# Altium PCB W5100S-PICO-Mining_V100.PcbDoc (part 1 of 2) (continued)
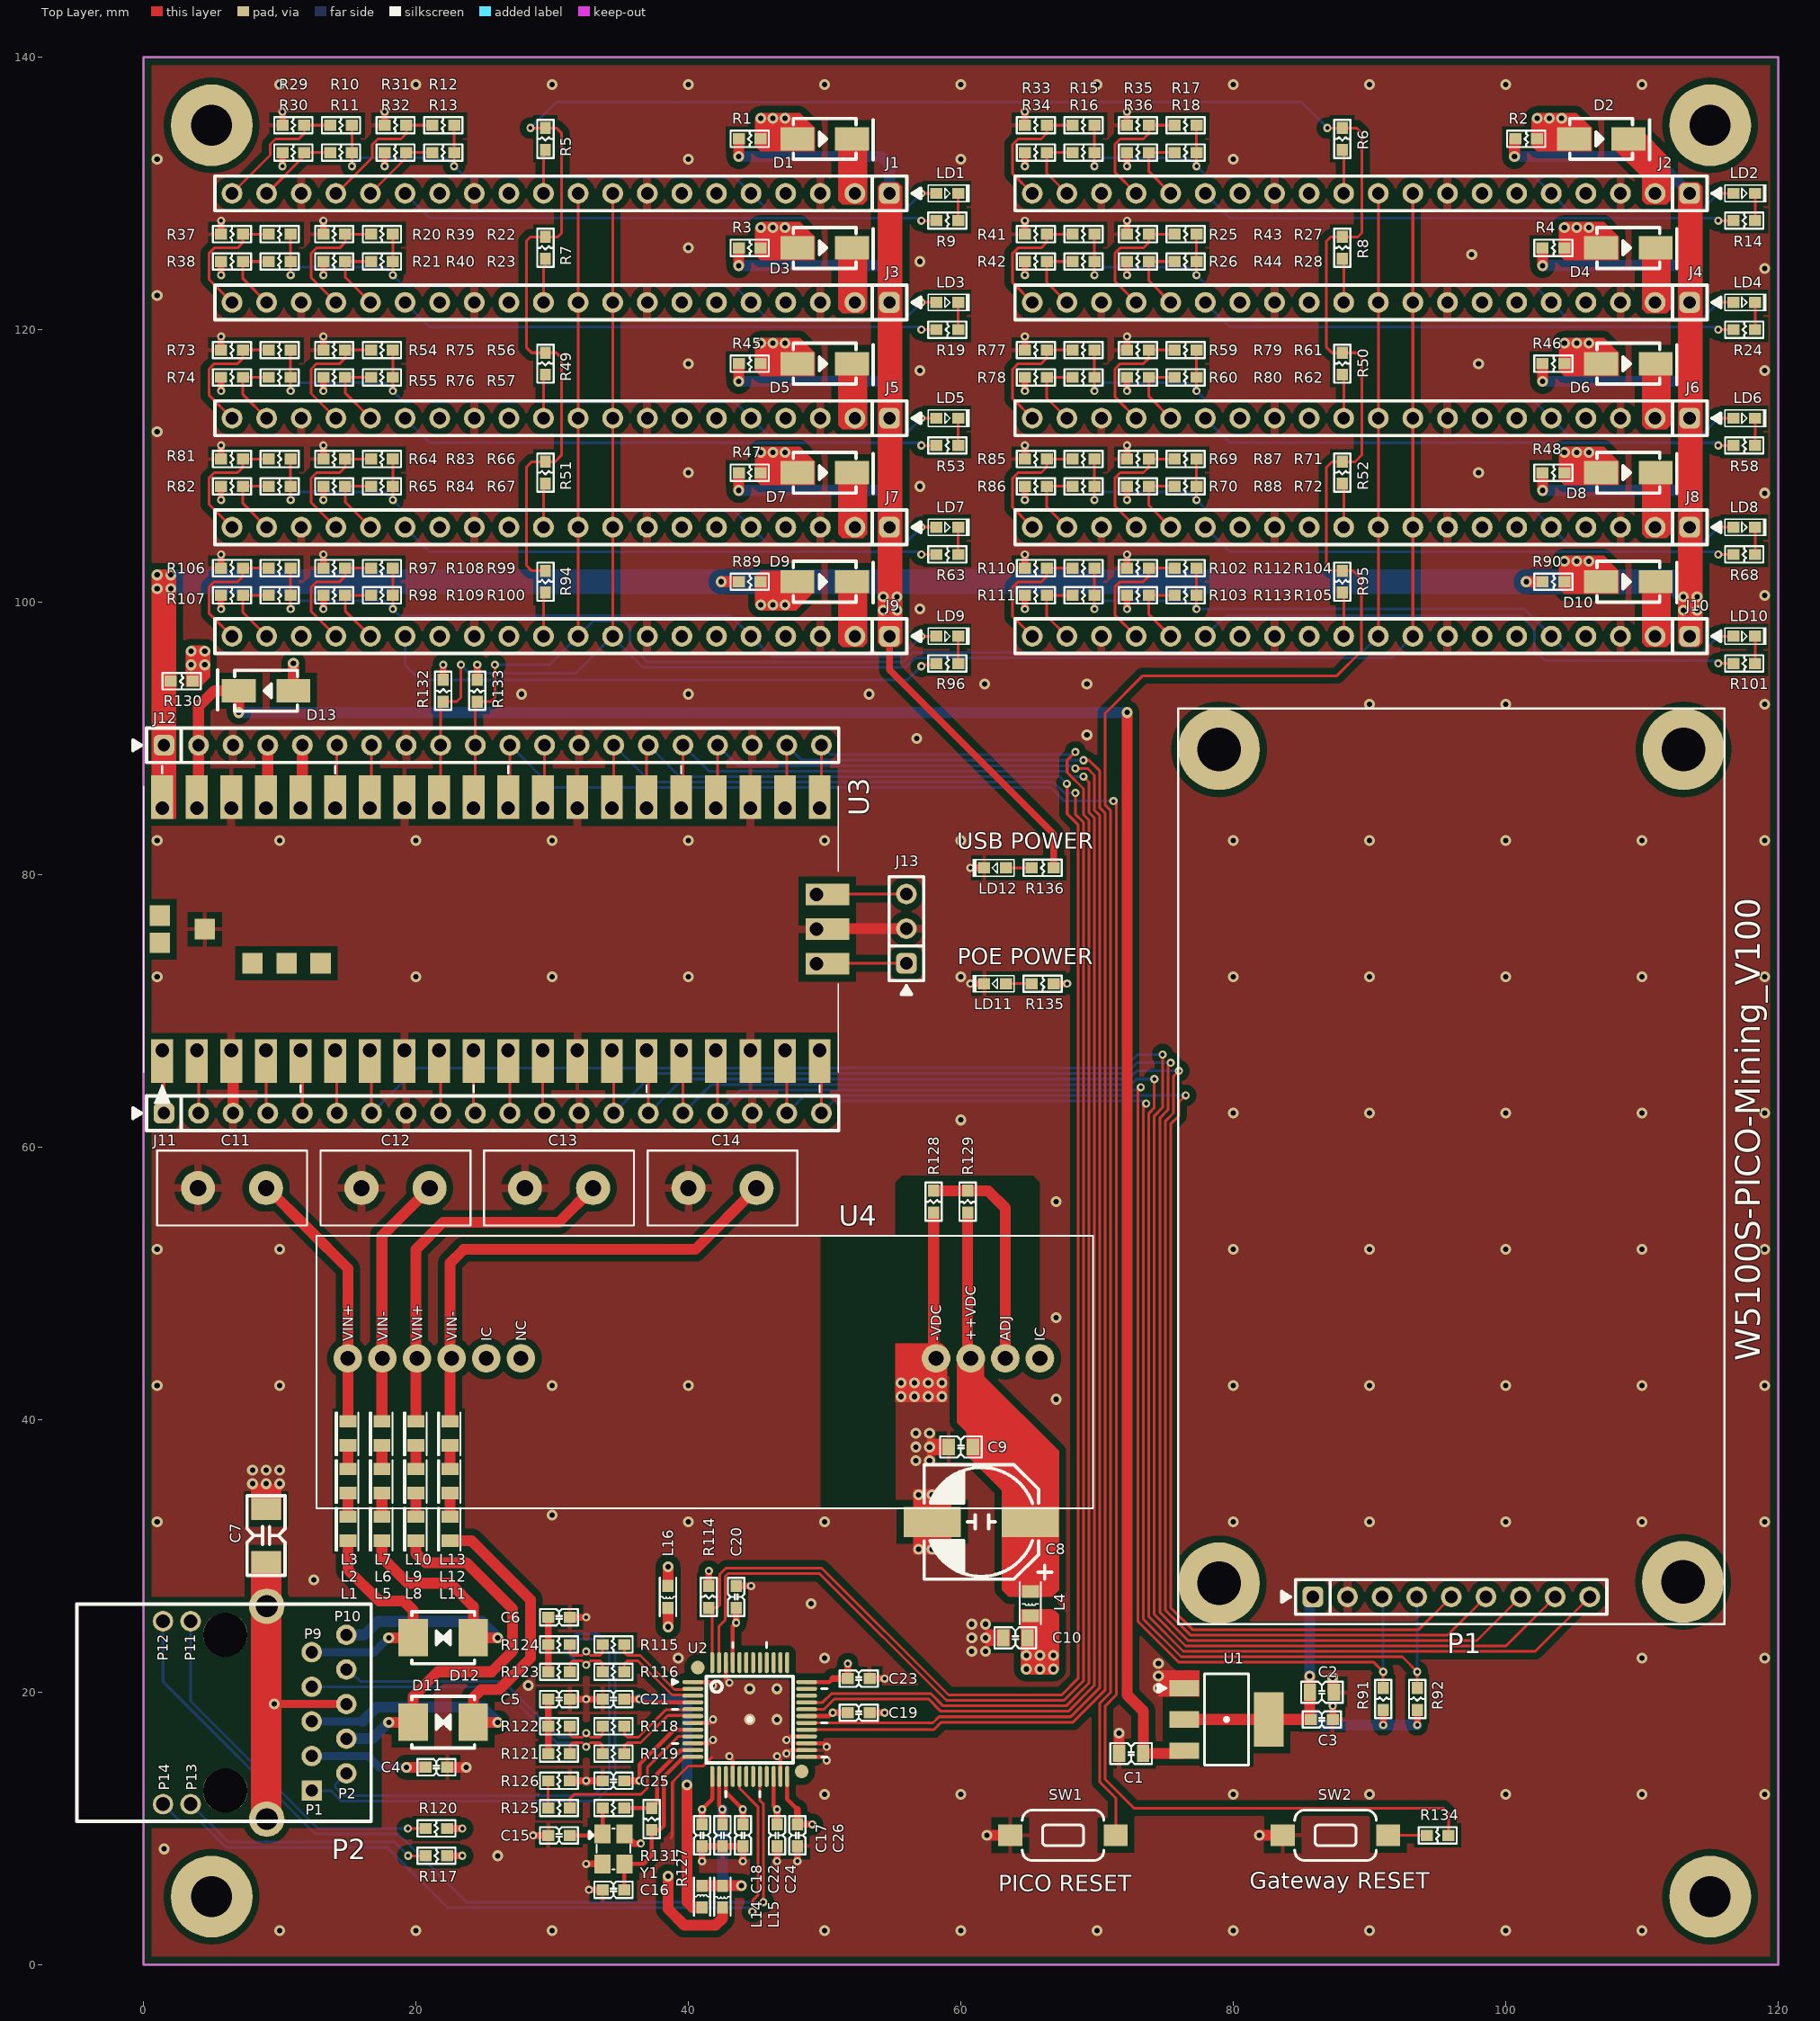
[diagram p0: Top Layer view]
## Components (designator, comment, footprint, x,y, rotation, side; value= is the part's Value field where it differs from the comment)
C1 "10uF/16V" CAP-0805 72.5,15.5 r0 top
C2 "10uF/16V" CAP-0805 86.5,20 r180 top
C3 "0.1uF" CAP-0603 86.5,18 r180 top
C4 "0.1uF" CAP-0603 21.5,14.5 r180 top
C5 "0.1uF" CAP-0603 30.5,19.5 r180 top
C6 "0.1uF" CAP-0603 30.5,25.5 r180 top
C7 "1nF/2KV" CAP-1808 9,31.5 r90 top
C8 "470uF/16V" CAP-8.3EC 61.5,32.5 r270 top
C9 "10uF/16V" CAP-0805 60,38 r0 top
C10 "10uF/16V" CAP-0805 64,24 r0 top
C11 "4.7nF/2KV" CK45-E3DD472ZYGNA 6.5,57 r0 top
C12 "4.7nF/2KV" CK45-E3DD472ZYGNA 18.5,57 r0 top
C13 "4.7nF/2KV" CK45-E3DD472ZYGNA 30.5,57 r0 top
C14 "4.7nF/2KV" CK45-E3DD472ZYGNA 42.5,57 r0 top
C15 "18pF" CAP-0603 30.5,9.5 r0 top
C16 "18pF" CAP-0603 34.5,5.5 r0 top
C17 "0.1uF" CAP-0603 46.5,9.5 r90 top
C18 "0.1uF" CAP-0603 41,9.5 r90 top
C19 "0.1uF" CAP-0603 52.5,18.5 r180 top
C20 "0.1uF" CAP-0603 43.5,27 r270 top
C21 "0.1uF" CAP-0603 34.5,19.5 r0 top
C22 "1uF" CAP-0603 42.5,9.5 r90 top
C23 "0.1uF" CAP-0603 52.5,21 r180 top
C24 "0.1uF" CAP-0603 44,9.5 r90 top
C25 "0.1uF" CAP-0603 34.5,13.5 r0 top
C26 "0.1uF" CAP-0603 48,9.5 r90 top
D1 "SS14" DO-214AC/SMA 50,134 r0 top
D2 "SS14" DO-214AC/SMA 107,134 r0 top
D3 "SS14" DO-214AC/SMA 50,126 r0 top
D4 "SS14" DO-214AC/SMA 109,126 r0 top
D5 "SS14" DO-214AC/SMA 50,117.5 r0 top
D6 "SS14" DO-214AC/SMA 109,117.5 r0 top
D7 "SS14" DO-214AC/SMA 50,109.5 r0 top
D8 "SS14" DO-214AC/SMA 109,109.5 r0 top
D9 "SS14" DO-214AC/SMA 50,101.5 r0 top
D10 "SS14" DO-214AC/SMA 109,101.5 r0 top
D11 "SMBJ58CA (SMB)" DO-214AA/SMB(TVS) 22,17.8 r180 top
D12 "SMBJ58CA (SMB)" DO-214AA/SMB(TVS) 22,24 r180 top
D13 "SS14" DO-214AC/SMA 9,93.5 r180 top
J1 "Header Socket Dip 20x1_2.54mm" IDC-1X20(SOCKET) 54.76,130 r180 top
J2 "Header Socket Dip 20x1_2.54mm" IDC-1X20(SOCKET) 113.5,130 r180 top
J3 "Header Socket Dip 20x1_2.54mm" IDC-1X20(SOCKET) 54.76,122 r180 top
J4 "Header Socket Dip 20x1_2.54mm" IDC-1X20(SOCKET) 113.5,122 r180 top
J5 "Header Socket Dip 20x1_2.54mm" IDC-1X20(SOCKET) 54.76,113.5 r180 top
J6 "Header Socket Dip 20x1_2.54mm" IDC-1X20(SOCKET) 113.5,113.5 r180 top
J7 "Header Socket Dip 20x1_2.54mm" IDC-1X20(SOCKET) 54.76,105.5 r180 top
J8 "Header Socket Dip 20x1_2.54mm" IDC-1X20(SOCKET) 113.5,105.5 r180 top
J9 "Header Socket Dip 20x1_2.54mm" IDC-1X20(SOCKET) 54.76,97.5 r180 top
J10 "Header Socket Dip 20x1_2.54mm" IDC-1X20(SOCKET) 113.5,97.5 r180 top
J11 "Pin Header Dip 20x1_2.54mm" IDC-1X20 1.5,62.5 r0 top
J12 "Pin Header Dip 20x1_2.54mm" IDC-1X20 1.5,89.5 r0 top
J13 "2.54mm 1x3 Pin Header DIP" idc-1x3 56,73.5 r90 top
L1 "IND-0805" IND-0805 15,32 r90 top
L2 "IND-0805" IND-0805 15,35.5 r90 top
L3 "IND-0805" IND-0805 15,39 r90 top
L4 "HH-1M2012-121JT" IND-0805 65.1,26.5 r270 top
L5 "IND-0805" IND-0805 17.5,32 r90 top
L6 "IND-0805" IND-0805 17.5,35.5 r90 top
L7 "IND-0805" IND-0805 17.5,39 r90 top
L8 "IND-0805" IND-0805 20,32 r90 top
L9 "IND-0805" IND-0805 20,35.5 r90 top
L10 "IND-0805" IND-0805 20,39 r90 top
L11 "IND-0805" IND-0805 22.5,32 r90 top
L12 "IND-0805" IND-0805 22.5,35.5 r90 top
L13 "IND-0805" IND-0805 22.5,39 r90 top
L14 "HH-1M1608-121JT" IND-0603 41,5 r90 top
L15 "HH-1M1608-121JT" IND-0603 42.5,5 r270 top
L16 "HH-1M1608-121JT" IND-0603 38.5,27 r270 top
LD1 "Green" LED-0603-GREEN 59,130 r0 top
LD2 "Green" LED-0603-GREEN 117.5,130 r0 top
LD3 "Green" LED-0603-GREEN 59,122 r0 top
LD4 "Green" LED-0603-GREEN 117.5,122 r0 top
LD5 "Green" LED-0603-GREEN 59,113.5 r0 top
LD6 "Green" LED-0603-GREEN 117.5,113.5 r0 top
LD7 "Green" LED-0603-GREEN 59,105.5 r0 top
LD8 "Green" LED-0603-GREEN 117.5,105.5 r0 top
LD9 "Green" LED-0603-GREEN 59,97.5 r0 top
LD10 "Green" LED-0603-GREEN 117.5,97.5 r0 top
LD11 "RED" LED-0603-RED 62.5,72 r180 top
LD12 "RED" LED-0603-RED 62.5,80.5 r180 top
P1 "Pin Header Dip 9x1_2.54mm" "LCD(PIN HEADER9X1_2.54)" 96,27 r0 top
P2 "RJC-191R" RJC-191R 6,18.5 r270 top
R1 "NC" RES-0603 44.5,134 r180 top
R2 "NC" RES-0603 101.5,134 r180 top
R3 "NC" RES-0603 44.5,126 r180 top
R4 "NC" RES-0603 103.5,126 r180 top
R5 "1K" RES-0603 29.5,134 r270 top
R6 "1K" RES-0603 88,134 r270 top
R7 "1K" RES-0603 29.5,126 r270 top
R8 "1K" RES-0603 88,126 r270 top
R9 "300R" RES-0603 59,128 r180 top
R10 "NC" RES-0603 14.5,135 r0 top
R11 "NC" RES-0603 14.5,133 r0 top
R12 "NC" RES-0603 22,135 r0 top
R13 "10K" RES-0603 22,133 r0 top
R14 "300R" RES-0603 117.5,128 r180 top
R15 "NC" RES-0603 69,135 r0 top
R16 "NC" RES-0603 69,133 r0 top
R17 "10K" RES-0603 76.5,135 r0 top
R18 "NC" RES-0603 76.5,133 r0 top
R19 "300R" RES-0603 59,120 r180 top
R20 "NC" RES-0603 10,127 r0 top
R21 "NC" RES-0603 10,125 r0 top
R22 "10K" RES-0603 17.5,127 r0 top
R23 "10K" RES-0603 17.5,125 r0 top
R24 "300R" RES-0603 117.5,120 r180 top
R25 "NC" RES-0603 69,127 r0 top
R26 "10K" RES-0603 69,125 r0 top
R27 "NC" RES-0603 76.5,127 r0 top
R28 "NC" RES-0603 76.5,125 r0 top
R29 "NC" RES-0603 11,135 r0 top
R30 "NC" RES-0603 11,133 r0 top
R31 "NC" RES-0603 18.5,135 r0 top
R32 "NC" RES-0603 18.5,133 r0 top
R33 "NC" RES-0603 65.5,135 r0 top
R34 "NC" RES-0603 65.5,133 r0 top
R35 "NC" RES-0603 73,135 r0 top
R36 "NC" RES-0603 73,133 r0 top
R37 "NC" RES-0603 6.5,127 r0 top
R38 "NC" RES-0603 6.5,125 r0 top
R39 "NC" RES-0603 14,127 r0 top
R40 "NC" RES-0603 14,125 r0 top
R41 "NC" RES-0603 65.5,127 r0 top
R42 "NC" RES-0603 65.5,125 r0 top
R43 "NC" RES-0603 73,127 r0 top
R44 "NC" RES-0603 73,125 r0 top
R45 "NC" RES-0603 44.5,117.5 r180 top
R46 "NC" RES-0603 103.5,117.5 r180 top
R47 "NC" RES-0603 44.5,109.5 r180 top
R48 "NC" RES-0603 103.5,109.5 r180 top
R49 "1K" RES-0603 29.5,117.5 r270 top
R50 "1K" RES-0603 88,117.5 r270 top
R51 "1K" RES-0603 29.5,109.5 r270 top
R52 "1K" RES-0603 88,109.5 r270 top
R53 "300R" RES-0603 59,111.5 r180 top
R54 "NC" RES-0603 10,118.5 r0 top
R55 "10K" RES-0603 10,116.5 r0 top
R56 "NC" RES-0603 17.5,118.5 r0 top
R57 "10K" RES-0603 17.5,116.5 r0 top
R58 "300R" RES-0603 117.5,111.5 r180 top
R59 "NC" RES-0603 69,118.5 r0 top
R60 "10K" RES-0603 69,116.5 r0 top
R61 "10K" RES-0603 76.5,118.5 r0 top
R62 "NC" RES-0603 76.5,116.5 r0 top
R63 "300R" RES-0603 59,103.5 r180 top
R64 "NC" RES-0603 10,110.5 r0 top
R65 "10K" RES-0603 10,108.5 r0 top
R66 "10K" RES-0603 17.5,110.5 r0 top
R67 "10K" RES-0603 17.5,108.5 r0 top
R68 "300R" RES-0603 117.5,103.5 r180 top
R69 "10K" RES-0603 69,110.5 r0 top
R70 "NC" RES-0603 69,108.5 r0 top
R71 "NC" RES-0603 76.5,110.5 r0 top
R72 "NC" RES-0603 76.5,108.5 r0 top
R73 "NC" RES-0603 6.5,118.5 r0 top
R74 "NC" RES-0603 6.5,116.5 r0 top
R75 "NC" RES-0603 14,118.5 r0 top
R76 "NC" RES-0603 14,116.5 r0 top
R77 "NC" RES-0603 65.5,118.5 r0 top
R78 "NC" RES-0603 65.5,116.5 r0 top
R79 "NC" RES-0603 73,118.5 r0 top
R80 "NC" RES-0603 73,116.5 r0 top
R81 "NC" RES-0603 6.5,110.5 r0 top
R82 "NC" RES-0603 6.5,108.5 r0 top
R83 "NC" RES-0603 14,110.5 r0 top
R84 "NC" RES-0603 14,108.5 r0 top
R85 "NC" RES-0603 65.5,110.5 r0 top
R86 "NC" RES-0603 65.5,108.5 r0 top
R87 "NC" RES-0603 73,110.5 r0 top
R88 "NC" RES-0603 73,108.5 r0 top
R89 "NC" RES-0603 44.5,101.5 r180 top
R90 "NC" RES-0603 103.5,101.5 r180 top
R91 "NC" RES-0603 91,19.5 r270 top
R92 "NC" RES-0603 93.5,19.5 r270 top
R94 "1K" RES-0603 29.5,101.5 r270 top
R95 "1K" RES-0603 88,101.5 r270 top
R96 "300R" RES-0603 59,95.5 r180 top
R97 "10K" RES-0603 10,102.5 r0 top
R98 "NC" RES-0603 10,100.5 r0 top
R99 "NC" RES-0603 17.5,102.5 r0 top
R100 "10K" RES-0603 17.5,100.5 r0 top
R101 "300R" RES-0603 117.5,95.5 r180 top
R102 "10K" RES-0603 69,102.5 r0 top
R103 "NC" RES-0603 69,100.5 r0 top
R104 "10K" RES-0603 76.5,102.5 r0 top
R105 "NC" RES-0603 76.5,100.5 r0 top
R106 "NC" RES-0603 6.5,102.5 r0 top
R107 "NC" RES-0603 6.5,100.5 r0 top
R108 "NC" RES-0603 14,102.5 r0 top
R109 "NC" RES-0603 14,100.5 r0 top
R110 "NC" RES-0603 65.5,102.5 r0 top
R111 "NC" RES-0603 65.5,100.5 r0 top
R112 "NC" RES-0603 73,102.5 r0 top
R113 "NC" RES-0603 73,100.5 r0 top
R114 "4K7" RES-0603 41.5,27 r270 top
R115 "3R3" RES-0603 34.5,23.5 r0 top
R116 "3R3" RES-0603 34.5,21.5 r0 top
R117 "330R" RES-0603 21.5,8 r180 top
R118 "3R3" RES-0603 34.5,17.5 r0 top
R119 "3R3" RES-0603 34.5,15.5 r0 top
R120 "330R" RES-0603 21.5,10 r0 top
R121 "49.9R/1%" RES-0603 30.5,15.5 r0 top
R122 "49.9R/1%" RES-0603 30.5,17.5 r0 top
R123 "49.9R/1%" RES-0603 30.5,21.5 r0 top
R124 "49.9R/1%" RES-0603 30.5,23.5 r0 top
R125 "12K/1%" RES-0603 30.5,11.5 r180 top
R126 "300R" RES-0603 30.5,13.5 r0 top
R127 "1M" RES-0603 37.3,10.7 r90 top
R128 "NC" RES-0603 58,56 r270 top
R129 "NC" RES-0603 60.5,56 r90 top
R130 "NC" RES-0603 2.8,94.2 r180 top
R131 "0R" RES-0603 34.5,11.5 r0 top
R132 "4K7" RES-0603 22,93.5 r90 top
R133 "4K7" RES-0603 24.5,93.5 r90 top
R134 "1K" RES-0603 95,9.5 r0 top
R135 "300R" RES-0603 66,72 r180 top
R136 "300R" RES-0603 66,80.5 r180 top
SW1 "ITS-1107(SMD)" IT-1107(SMD) 67.5,9.5 r180 top
SW2 "ITS-1107(SMD)" IT-1107(SMD) 87.5,9.5 r180 top
U1 "LM1117-3.3" SOT-223 79.5,18 r270 top
U2 "W5100S" LQFP48(0.5/9.0) 44.5,18 r0 top
U3 "PICO" PICO 25.5,76 r90 top
U4 "AG9705-2BR" AG9705-2BR 15,44.5 r0 top
Y1 "25MHz" OSC-82J0626 34.5,8.5 r270 top

## Footprints (in the part's own frame and the unit in brackets; to place one, negate y for a bottom-side part, rotate by r counter-clockwise, add the part's x,y. Pads: shape width x height; smd on the part's side, far side on the other; paste and mask are expansions set on the pad)
AG9705-2BR [mm]
  round 2.1 hole 1.1: 1(0,0) 2(2.54,0) 3(5.08,0) 4(7.62,0) 5(10.16,0) 6(12.7,0) 6(12.7,0) 7(43.18,0) 8(45.72,0) 9(48.26,0) 10(50.8,0)
  Multi-Layer pour cut-out: 40.2,9 34.7,9 34.7,-11 40.2,-11
  silkscreen extent -2.3,-11 54.7,9, body extent -1.75,-10.25 54.25,8.75, height 14
CAP-8.3EC [mm]
  rect 2.2x4.2 smd: 1(0,3.6) 2(0,-3.6)
  silkscreen extent -4.2,-4.2 4.2,5.15, body extent -4.12,-4.65 4.18,4.65, height 10.31
CAP-0603 [mm] "Ceramic CAP 0603(1608)"
  rect 0.89x0.82 smd: 1(-0.8,0) 2(0.8,0)
  silkscreen extent -1.4,-0.6 1.4,0.6, body extent -0.93,-0.41 0.93,0.41, height 0.81
CAP-0805 [mil]
  rect 36x49 smd: 1(-35,0)
  rect 35.43x49 smd: 2(35,0)
  silkscreen extent -60,-30 60,30, body extent -39,-24 40,25, height 31
CAP-1808 [mm] "Ceramic CAP 1808(4520)"
  rect 1.6x2.2 smd: 1(-1.95,0) 2(1.95,0)
  silkscreen extent -2.92,-1.4 2.92,1.4, body extent -2.25,-1.02 2.25,1.01, height 2
CK45-E3DD472ZYGNA [mm]
  round 2.5 hole 1.2: 1(-2.5,0) 2(2.5,0)
  silkscreen extent -5.5,-2.75 5.5,2.75, body extent -5.5,-2.5 5.5,2.5, height 12.5
DO-214AA/SMB(TVS) [mm]
  rect 2.159x2.743 smd: 1(-2.21,0) 2(2.21,0)
  silkscreen extent -2.3,-1.9 2.3,1.9, body extent -2.71,-1.8 2.69,1.8, height 2.27
DO-214AC/SMA [mm]
  rect 2.5x1.7 smd: 1(-2,0) 2(2,0)
  silkscreen extent -2.3,-1.52 3.56,1.5, body extent -2.46,-1.27 2.47,1.27, height 2
idc-1x3 [mil]
  rrect50% 60x60 hole 36: 1(0,0)
  round 60 hole 36: 2(100,0) 3(200,0)
  silkscreen extent -90,-50 250,50, body extent -49,-49 251,51, height 336
IDC-1X20 [mil]
  rrect50% 60x60 hole 36: 1(0,0)
  round 60 hole 36: 2(100,0) 3(200,0) 4(300,0) 5(400,0) 6(500,0) 7(600,0) 8(700,0) 9(800,0) 10(900,0) 11(1000,0) 12(1100,0) 13(1200,0) 14(1300,0) 15(1400,0) 16(1500,0) 17(1600,0) 18(1700,0) 19(1800,0) 20(1900,0)
  silkscreen extent -90,-50 1950,50, body extent -49,-49 1951,51, height 336
IDC-1X20(SOCKET) [mil]
  rrect50% 60x60 hole 36: 1(0,0)
  round 60 hole 36: 2(100,0) 3(200,0) 4(300,0) 5(400,0) 6(500,0) 7(600,0) 8(700,0) 9(800,0) 10(900,0) 11(1000,0) 12(1100,0) 13(1200,0) 14(1300,0) 15(1400,0) 16(1500,0) 17(1600,0) 18(1700,0) 19(1800,0) 20(1900,0)
  silkscreen extent -90,-50 1950,50, body extent -50,-50 1950,50, height 335
IND-0603 [mm] "Inductor 0603(1608)"
  rect 0.89x0.82 smd: 1(-0.8,0) 2(0.8,0)
  silkscreen extent -1.4,-0.6 1.4,0.6, body extent -0.8,-0.4 0.8,0.4, height 0.95
IND-0805 [mil]
  rect 36x49 smd: 1(-35,0)
  rect 35.43x49 smd: 2(35,0)
  Top Layer pour cut-out: -15,25 -15,-25 15,-25 15,25
  silkscreen extent -63,-30 60,35, body extent -39,-24 39,24, height 37
IT-1107(SMD) [mm]
  rect 1.75x1.6 smd: 1(-3.875,0) 2(3.875,0)
  silkscreen extent -3,-1.85 3,1.85, body extent -4,-1.8 4,1.8, height 2.6
"LCD(PIN HEADER9X1_2.54)" [mil]
  round 236.22 hole 125.98: 0(-671.26,39.37) 0(-671.26,2448.82) 0(669.29,43.31) 0(671.26,2448.82)
  rrect50% 60x60 hole 36: 1(-400,0)
  round 60 hole 36: 2(-300,0) 3(-200,0) 4(-100,0) 5(0,0) 6(100,0) 7(200,0) 8(300,0) 9(400,0)
  silkscreen extent -789,-79 789,2567, body extent -449,-49 451,51, height 336
LED-0603-GREEN [mm] "LED-0603-GREEN"
  rect 0.89x0.82 smd: 1(-0.8,0) 2(0.8,0)
  silkscreen extent -1.41,-0.65 1.65,0.65, body extent -0.85,-0.45 0.85,0.45, height 0.9
LED-0603-RED [mm] "LED-0603-RED"
  rect 0.89x0.82 smd: 1(-0.8,0) 2(0.8,0)
  silkscreen extent -1.41,-0.65 1.65,0.65, body extent -0.85,-0.45 0.85,0.45, height 0.9
LQFP48(0.5/9.0) [mm]
  round 1.016 smd: 0(-3.81,3.81) 0(3.81,-3.81)
  oval 1.55x0.3 smd: 1(-4.175,2.75) 2(-4.175,2.25) 3(-4.175,1.75) 4(-4.175,1.25) 5(-4.175,0.75) 6(-4.175,0.25) 7(-4.175,-0.25) 8(-4.175,-0.75) 9(-4.175,-1.25) 10(-4.175,-1.75) 11(-4.175,-2.25) 12(-4.175,-2.75) 25(4.175,-2.75) 26(4.175,-2.25) 27(4.175,-1.75) 28(4.175,-1.25) 29(4.175,-0.75) 30(4.175,-0.25) 31(4.175,0.25) 32(4.175,0.75) 33(4.175,1.25) 34(4.175,1.75) 35(4.175,2.25) 36(4.175,2.75)
  oval 0.3x1.55 smd: 13(-2.75,-4.175) 14(-2.25,-4.175) 15(-1.75,-4.175) 16(-1.25,-4.175) 17(-0.75,-4.175) 18(-0.25,-4.175) 19(0.25,-4.175) 20(0.75,-4.175) 21(1.25,-4.175) 22(1.75,-4.175) 23(2.25,-4.175) 24(2.75,-4.175) 37(2.75,4.175) 38(2.25,4.175) 39(1.75,4.175) 40(1.25,4.175) 41(0.75,4.175) 42(0.25,4.175) 43(-0.25,4.175) 44(-0.75,4.175) 45(-1.25,4.175) 46(-1.75,4.175) 47(-2.25,4.175) 48(-2.75,4.175)
  silkscreen extent -5.67,-5.67 5.68,5.68, body extent -4.5,-4.5 4.5,4.5, height 1.5
OSC-82J0626 [mm]
  rect 1.4x1.2 smd: 1(-1.1,-0.8) 2(1.1,-0.8) 3(1.1,0.8) 4(-1.1,0.8)
  silkscreen extent -1.5,-1.78 1.5,1.25, body extent -1.7,-1.35 1.7,1.35, height 1.06
PICO [mm]
  rect 3.2x1.6 smd: 1(-9.69,24.13) 2(-9.69,21.59) 3(-9.69,19.05) 4(-9.69,16.51) 5(-9.69,13.97) 6(-9.69,11.43) 7(-9.69,8.89) 8(-9.69,6.35) 9(-9.69,3.81) 10(-9.69,1.27) 11(-9.69,-1.27) 12(-9.69,-3.81) 13(-9.69,-6.35) 14(-9.69,-8.89) 15(-9.69,-11.43) 16(-9.69,-13.97) 17(-9.69,-16.51) 18(-9.69,-19.05) 19(-9.69,-21.59) 20(-9.69,-24.13) 21(9.69,-24.13) 22(9.69,-21.59) 23(9.69,-19.05) 24(9.69,-16.51) 25(9.69,-13.97) 26(9.69,-11.43) 27(9.69,-8.89) 28(9.69,-6.35) 29(9.69,-3.81) 30(9.69,-1.27) 31(9.69,1.27) 32(9.69,3.81) 33(9.69,6.35) 34(9.69,8.89) 35(9.69,11.43) 36(9.69,13.97) 37(9.69,16.51) 38(9.69,19.05) 39(9.69,21.59) 40(9.69,24.13)
  round 1.6 hole 1: 1(-8.89,24.13) 2(-8.89,21.59) 3(-8.89,19.05) 4(-8.89,16.51) 5(-8.89,13.97) 6(-8.89,11.43) 7(-8.89,8.89) 8(-8.89,6.35) 9(-8.89,3.81) 10(-8.89,1.27) 11(-8.89,-1.27) 12(-8.89,-3.81) 13(-8.89,-6.35) 14(-8.89,-8.89) 15(-8.89,-11.43) 16(-8.89,-13.97) 17(-8.89,-16.51) 18(-8.89,-19.05) 19(-8.89,-21.59) 20(-8.89,-24.13) 21(8.89,-24.13) 22(8.89,-21.59) 23(8.89,-19.05) 24(8.89,-16.51) 25(8.89,-13.97) 26(8.89,-11.43) 27(8.89,-8.89) 28(8.89,-6.35) 29(8.89,-3.81) 30(8.89,-1.27) 31(8.89,1.27) 32(8.89,3.81) 33(8.89,6.35) 34(8.89,8.89) 35(8.89,11.43) 36(8.89,13.97) 37(8.89,16.51) 38(8.89,19.05) 39(8.89,21.59) 40(8.89,24.13) D1(-2.54,-23.9) D2(0,-23.9) D3(2.54,-23.9)
  rect 1.6x3.2 smd: D1(-2.54,-24.7) D2(0,-24.7) D3(2.54,-24.7)
  rect 1.5x1.5 smd: TP1(0,21) TP2(1,24.3) TP3(-1,24.3) TP4(-2.5,17.5) TP5(-2.5,15) TP6(-2.5,12.5)
  silkscreen extent -12.75,-25.5 11.97,25.5, body extent -10.5,-25.47 10.5,26.96, height 3.69
RES-0603 [mm] "RES-0603"
  rect 0.89x0.82 smd: 1(-0.8,0) 2(0.8,0)
  silkscreen extent -1.4,-0.6 1.4,0.6, body extent -0.82,-0.41 0.82,0.41, height 0.46
RJC-191R [mm]
  rect 1.5x1.5 hole 0.9: P1(5.72,6.35)
  round 1.5 hole 0.9: P2(4.45,8.89) P3(3.18,6.35) P4(1.91,8.89) P5(0.64,6.35) P6(-0.63,8.89) P7(-1.9,6.35) P8(-3.17,8.89) P9(-4.44,6.35) P10(-5.71,8.89)
  round 1.5 hole 1.02: P11(-6.715,-2.54) P12(-6.715,-4.57) P13(6.715,-2.54) P14(6.715,-4.57)
  round 2.6 hole 1.6: S1(-7.815,3.05) S2(7.815,3.05)
  round 3.25 hole 3.25 unplated: ""(-5.715,0) ""(5.715,0)
  silkscreen extent -7.98,-10.89 7.98,10.71, body extent -7.98,-10.89 7.98,10.71, height 23.35
SOT-223 [mm]
  rect 1.2x2.2 smd: 1(-2.3,-3.1) 2(0,-3.1) 3(2.3,-3.1)
  rect 4x2.2 smd: 4(0,3.1)
  silkscreen extent -3.35,-5.03 3.35,1.63, body extent -3.25,-3.53 3.25,3.52, height 1.82

## Part data
C1 C2 C9 C10: library part CAP-0805, "MLCC-0805(2012)"
C3 C4 C5 C6 C15 C16 C17 C18 C19 C20 C21 C22 C23 C24 C25 C26: library part CAP-0603, "MLCC-0603(1608)"
C7: library part CAP-1808, "MLCC-1808(4520)"
C8: library part "AL-CAP-D 8.0mm_SMD", "AL-CAP D: 8.0mm SMD", Capacitance=10uF, Case Code (Imperial)=1206, Case Code (Metric)=3216, Dielectric Material=Tantalum, ESR (Equivalent Series Resistance)=4R, Leakage Current=1uA, Max Operating Temperature=125°C, Min Operating Temperature=-55°C, Package Quantity=2000, Tolerance=20%, VOLTAGE=10V, Case/Package=1206, Construction=Flat, Depth=1.6mm, Dissipation Factor=6%, Features="General Purpose", Height=1.6mm, Height - Seated (Max)=0.071inch, Lead Free="Lead Free", Lead Pitch=1.2mm, Length=3.2mm, Life (Hours)=2000Hour, Mount="Surface Mount", Number of Pins=2, Packaging="Tape and Reel", Polarity=Polar, Radiation Hardening=No, REACH SVHC="No SVHC", RoHS Compliant=Yes, Series=T491, SIZE=1.6mm, Termination=SMD/SMT, Voltage Rating=10V, Voltage Rating (DC)=10V, Weight=0.000571oz, Width=0.063inch
C11 C12 C13 C14: library part "Ceramic Disk Cap", "Ceramic Disk Capacitor D: 10.5mm", Manufacturer_Name=TDK, Manufacturer_Part_Number=CK45-E3DD472ZYGNA, Mouser Part Number=810-CK45-E3DD472ZYGN, Datasheet Link=https://product.tdk.com/system/files/dam/doc/product/capacitor/ceramic/lead-disc/catalog/leaddisc_commercial_ck45_en.pdf, Height=14.5mm, Mouser Price/Stock=https://www.mouser.co.uk/ProductDetail/TDK/CK45-E3DD472ZYGNA?qs=eSfX1CQlHqqEDnRyEDuzfg%3D%3D
D1 D2 D3 D4 D5 D6 D7 D8 D9 D10 D13: library part "DIODE-Shottky SMA(DO-214AC)", "DIODE SCHOTTKY 40V 1A SMA", Forward Current=1A, Manufacturer="ON Semiconductor", Max Junction Temp=+125°C, Max Repetitive Reverse Voltage=40V, Max Surge Forward Current=40A, Package=403AE, Peak Reverse Current=0.2mA, Temperature="-65°C to +125°C", Temperature Range Low=-65°C, Automotive=No, Category=Diode, ComponentLink2Description=Datasheet, ComponentLink2URL=https://www.onsemi.com/pub/Collateral/SS19-D.PDF, Device Class L1="Discrete Semiconductors", Device Class L2=Diodes, Device Class L3="Schottky Diodes", Digikey Description="DIODE SCHOTTKY 40V 1A SMA", Height=2.5mm, Lead Free=Yes, Manufacturer Part Number=SS14, Mouser Description="Schottky Diodes & Rectifiers SMA 40V 1.0A", Octopart=https://octopart.com/ss14-on+semiconductor-29205033, RoHS=TRUE, Standoff Height=0.05mm, Temperature Range High=+125°C
D11 D12: library part "DIODE-TVS (SMB)", Manufacturer="Vishay Semiconductor", Manufacturer Part Number=SMAJ58CA-E3/61, Operating Junction and Storage Temperature Range="-55 to 150 degC", ComponentLink1Description="Manufacturer URL", ComponentLink1URL=http://www.vishay.com/, ComponentLink2Description=Datasheet, ComponentLink2URL=http://www.vishay.com/docs/88390/smaj50a.pdf, ComponentLink3Description="Package Specification", ComponentLink3URL=http://www.vishay.com/docs/88390/smaj50a.pdf, DatasheetVersion=12/8/2013, ID (uA)=2, IFSM="40 A", Mounting Technology="Surface Mount", PackageDescription="2-Pin DO-214AC (SMA), Body 4.245 x 2.665 mm", PackageReference=DO-214AC-2, Packing="Tape and Reel", PartNumber=SMAJ58CA-E3/61, PPPM (W)="400, 300", RoHS=TRUE, VBR Bi-Directional (V)="6.4 to 231", VWM (V)=58
J1 J2 J3 J4 J5 J6 J7 J8 J9 J10: library part "Header Socket 20x1_2.54mm", "THT Vertical Header Socket WR-PHD, Pitch 2.54 mm, Single Row, 20 pins", Manufacturer_Name=Harwin, Manufacturer_Part_Number=M20-7822046, Mouser Part Number=855-M20-7822046, Datasheet Link=https://www.harwin.com/products/M20-7822046/, Height=8.65mm, Mouser Price/Stock=https://www.mouser.co.uk/ProductDetail/Harwin/M20-7822046?qs=ulE8k0yEMYayyds2fKN7wQ%3D%3D
J11 J12: library part "Pin Header 20x1_2.54mm", "THT Vertical Pin Header WR-PHD, Pitch 2.54 mm, Single Row, 20 pins", Contact Resistance=20mOhm, Manufacturer="Wurth Elektronik", Operating Temperature=-40to105degC, Package Reference=61302011121, Rated Current=3A, Withstanding Voltage=500VAC, Working Voltage=250VAC, Datasheet URL=https://katalog.we-online.de/em/datasheet/6130xx11121.pdf, Gender=Male, Manufacturer URL=http://www.we-online.de, Mounting Technology=THT, Orientation=Vertical, Packaging=Bag, Part Number=61302011121, Pin Number=20, Pitch=2.54mm, Publisher=WurthElektronik, Row Number=Single
L1 L2 L3 L5 L6 L7 L8 L9 L10 L11 L12 L13: "Inductor 0805(2012)"
L4: library part IND-0805, "Inductor 0805(2012)"
L14 L15 L16: library part IND-0603, "Inductor 0603(1608)"
LD1 LD2 LD3 LD4 LD5 LD6 LD7 LD8 LD9 LD10: library part "GREEN LED-0603", "LED-0603"
LD11 LD12: library part "RED LED-0603", "LED-0603"
P1: library part "Pin Header 9x1_2.54mm", "THT Vertical Pin Header WR-PHD, Pitch 2.54 mm, Single Row, 9 pins", Contact Resistance=20mOhm, Manufacturer="Wurth Elektronik", Operating Temperature=-40to105degC, Package Reference=61300911121, Rated Current=3A, Withstanding Voltage=500VAC, Working Voltage=250VAC, Datasheet URL=https://katalog.we-online.de/em/datasheet/6130xx11121.pdf, Gender=Male, Manufacturer URL=http://www.we-online.de, Mounting Technology=THT, Orientation=Vertical, Packaging=Bag, Part Number=61300911121, Pin Number=9, Pitch=2.54mm, Publisher=WurthElektronik, Row Number=Single
P2: "PoE RJ45"
R1 R2 R3 R4 R5 R6 R7 R8 R9 R10 R11 R12 R13 R14 R15 R16 R17 R18 R19 R20 R21 R22 R23 R24 R25 R26 R27 R28 R29 R30 R31 R32 R33 R34 R35 R36 R37 R38 R39 R40 R41 R42 R43 R44 R45 R46 R47 R48 R49 R50 R51 R52 R53 R54 R55 R56 R57 R58 R59 R60 R61 R62 R63 R64 R65 R66 R67 R68 R69 R70 R71 R72 R73 R74 R75 R76 R77 R78 R79 R80 R81 R82 R83 R84 R85 R86 R87 R88 R89 R90 R91 R92 R94 R95 R96 R97 R98 R99 R100 R101 R102 R103 R104 R105 R106 R107 R108 R109 R110 R111 R112 R113 R114 R115 R116 R117 R118 R119 R120 R121 R122 R123 R124 R125 R126 R127 R128 R129 R130 R131 R132 R133 R134 R135 R136: library part RES-0603, "Chip Resistor 0603(1608)", Case Code (Imperial)=0603, Case Code (Metric)=1608, Manufacturer=Yageo, Max Operating Temperature=155degC, Max Power Dissipation=100mW, Min Operating Temperature=-55degC, Package Description="2-Pin Surface Mount Device, Body 1.6 x 0.8 mm", Package Quantity=1, Resistance=1.5KOhm, Temperature Coefficient=100ppm/degreesC, Tolerance=1%, Voltage Rating=50V, Case/Package=0603, Composition=ThickFilm, Datasheet URL=http://www.yageo.com/NewPortal/yageodocoutput?fileName=/pdf/R-Chip/PYu-RC_Group_51_RoHS_L_5.pdf, Datasheet Version="Rev. 5, 10/2016", Depth=0.8mm, Height=0.022inch, Lead Free=LeadFree, Length=0.063inch, Manufacturer URL=http://www.yageo.com/, Military Standard=Not, Number of Pins=2, Number of Terminations=2, Package Reference=0603, Packaging=TapeandReel, Power Rating=100mW, REACH SVHC=NoSVHC, RoHSCompliant=true, Termination=SMD/SMT, Voltage Rating (DC)=50V, Width=0.031inch
SW1 SW2: "TACT Switch (SMD)"
U1: library part LM1117, "800mA Low-Dropout Linear Regulator, 4-pin SOT-223, Pb-Free", Manufacturer="Texas Instruments", PackageTopMarking=XYTT*N05B, PartNumber=LM1117IMP-3.3/NOPB, PowerWise=N, Code_IPC=SOT223-4, Code_JEDEC=TO-261-AA, ComponentLink1Description="Datasheet URL", ComponentLink1URL=http://www.ti.com/general/docs/lit/getliterature.tsp?genericPartNumber=LM1117-N&fileType=pdf, CompType="LDO IC", High-Reliability=Y, PackageDescription="Molded SOT-223, 6.50 x 3.56 x 1.6mm Body, 4 Lead, 2.3mm Pitch", PackageReference=DCY0004A, PinCount=4, RoHS=Y
U2: "WIZnet Hardwired TCP/IP Chip"
U3: "Module", Manufacturer_Name=RASPBERRY-PI, Datasheet Link=https://datasheets.raspberrypi.org/pico/pico_datasheet.pdf, Height=1mm, Manufacturer_Part_Number=PICO
U4: library part AG9700, "Integrated Circuit", Manufacturer_Name=Silvertel, Datasheet Link=http://silvertel.com/images/datasheets/Ag9700-Datasheet-low-cost-isolated-Power-over-Ethernet-PoE-module-solution.pdf, Height=14mm, Manufacturer_Part_Number=AG9700
Y1: library part OSC-82J0626-25MHz, "X-tal 25MHz,3.2x2.5 SMD, CL=18pF"

## Free pads (board coordinates)
  round 6 hole 3: 0(5,5) 0(5,135) 0(115,5) 0(115,135)

## Via types
v1: diameter 0.8, hole 0.4, Top Layer to Bottom Layer, tented both sides, 244 vias
v2: diameter 0.6, hole 0.3, Top Layer to Bottom Layer, tented both sides, 153 vias

## Nets (pads, with @x,y where several pads share a name; then routed paths per layer and width w, separated by ;. In a path a pad name is that pad's centre, name@x,y a point inside that pad or via, vN(x,y) a via of type N, cw(c..) or ccw(c..) an arc to the next point about the centre after c; other vN are vias at no path point)
1V2A: C21.2 L14.1 U2.4 | length 24.4
  Top Layer w0.3: v2(36.4,19.5) 36.65,19.25 U2.4@40.325,19.25
  Top Layer w0.5: C21.2@35.3,19.5 v2(36.4,19.5)
  Top Layer w0.8: v1(39.9,13.2) 39.9,4.6 40.3,4.2 L14.1@41,4.2
  Bottom Layer w0.8: v2(36.4,19.5) 39.3,19.5 39.9,18.9 v1(39.9,13.2)
1V2D: C17.2 C18.2 C19.2 C20.2 L15.2 U2.13 U2.22 U2.31 U2.45 | length 22.6
  Top Layer w0.3: v2(41,11.4) 41.75,12.15 U2.13@41.75,13.825 ; U2.45@43.25,22.175 43.25,24.85 v2(43.5,25.1) ; U2.22@46.25,13.825 46.25,11.65 v2(46.5,11.4) ; U2.31@48.675,18.25 50.35,18.25 v2(50.6,18.5)
  Top Layer w0.5: C18.2@41,10.3 v2(41,11.4) ; v2(43.5,25.1) C20.2@43.5,26.2 ; C17.2@46.5,10.3 v2(46.5,11.4) ; v2(50.6,18.5) C19.2@51.7,18.5
  Top Layer w0.8: v1(38.5,6.5) 38.5,4.1 39.7,2.9 42,2.9 42.5,3.4 L15.2@42.5,4.2
1V2O: C22.2 L14.2 L15.1 U2.14 | length 13.2
  Top Layer w0.3: U2.14@42.25,13.825 42.25,11.65 v2(42.5,11.4)
  Top Layer w0.5: C22.2@42.5,10.3 v2(42.5,11.4)
  Top Layer w0.8: L14.2@41,5.8 L15.1@42.5,5.8 v1(43.9,5.8)
  Bottom Layer w0.8: v2(42.5,11.4) 42.5,6.4 43.1,5.8 v1(43.9,5.8)
3V3: C23.2 C26.2 J12.5 L16.1 R114.1 R117.1 R120.2 R132.2 R133.2 U2.24 U2.36 U3.36 | length 19.9
  Top Layer w0.3: U2.24@47.25,13.825 47.25,12.15 48,11.4 ; U2.36@48.675,20.75 50.35,20.75 50.6,21
  Top Layer w0.5: R132.2@22,94.3 v2(22,95.4) ; R117.1@22.3,8 v2(23.4,8) ; R120.2@22.3,10 v2(23.4,10) ; R133.2@24.5,94.3 v2(24.5,95.4) ; R114.1@41.5,27.8 v2(41.5,28.9) ; 48,11.4 C26.2@48,10.3 v2(49.1,10.3) ; 50.6,21 C23.2@51.7,21 v2(51.7,22.1)
  Top Layer w0.8: U3.36@11.53,85.69 11.66,85.82 J12.5@11.66,89.5 ; L16.1@38.5,27.8 v1(38.5,29.2)
3V3_EN: J12.4 U3.37 | length 3.9
  Top Layer w0.8: U3.37@8.99,85.69 9.12,85.82 J12.4@9.12,89.5
3V3A: C4.2 C24.2 C25.2 L16.2 P2.P3 U2.8 U2.15 | length 21.4
  Top Layer w0.3: v2(36.4,13.5) 36.4,14.7 38.95,17.25 U2.8@40.325,17.25 ; U2.15@42.75,13.825 42.75,12.65 v2(44,11.4)
  Top Layer w0.5: C25.2@35.3,13.5 v2(36.4,13.5) ; C24.2@44,10.3 v2(44,11.4)
  Top Layer w0.8: v1(19.3,14.5) C4.2@20.7,14.5 ; v1(38.5,24.8) L16.2@38.5,26.2
  Bottom Layer w0.6: P2.P3@12.35,15.32 16.48,15.32 17.3,14.5 v1(19.3,14.5)
5V: C10.2 D1.1 D2.1 D3.1 D4.1 D5.1 D6.1 D7.1 D8.1 D9.1 D10.1 D13.1 L4.2 R1.1 R2.1 R3.1 R4.1 R45.1 R46.1 R47.1 R48.1 R89.1 R90.1 R130.1 R135.1 | length 3
  Top Layer w0.5: R135.1@66.8,72 v2(67.8,72)
  Top Layer w0.8: D13.1@11,93.5 v1(11,95.5)
  other v1: 64.8,21.7 65.8,21.7 66.8,21.7 64.8,22.7 65.8,22.7 66.8,22.7 3.5,95.4 4.5,95.4 3.5,96.4 4.5,96.4 45.3,99.8 46.2,99.8 47.1,99.8 104.3,103 105.2,103 106.1,103 45.3,111 46.2,111 47.1,111 104.3,111 105.2,111 106.1,111 45.3,119 46.2,119 47.1,119 104.3,119 105.2,119 106.1,119 45.3,127.5 46.2,127.5 47.1,127.5 104.3,127.5 105.2,127.5 106.1,127.5 45.3,135.5 46.2,135.5 47.1,135.5 102.3,135.5 103.2,135.5 104.1,135.5
ACTn: P2.P12 U2.20 | length 64.5
  Top Layer w0.2: U2.20@45.25,13.825 45.25,12.05 45.5,11.8 v2(45.5,4.6)
  Bottom Layer w0.2: P2.P12@1.43,25.215 1.43,20.77 12.6,9.6 18.7,9.6 23.7,4.6 v2(45.5,4.6)
ADC_VREF: J12.6 U3.35 | length 3.9
  Top Layer w0.2: U3.35@14.07,85.69 14.2,85.82 J12.6@14.2,89.5
CGND: C7.1 P2.P6 P2.S1 P2.S2 | length 10.6
  Top Layer w0.6: v1(9.6,19.13) P2.P6@14.89,19.13
  Bottom Layer w0.6: v1(9.6,19.13) P2.P6@14.89,19.13
GND: C1.1 C2.1 C3.1 C4.1 C5.1 C6.1 C7.2 C8.2 C9.1 C10.1 C11.1 C12.1 C13.1 C14.1 C15.1 C16.1 C17.1 C18.1 C19.1 C20.1 C21.1 C22.1 C23.1 C24.1 C25.1 C26.1 J1.3 J1.8 J1.13 J1.18 J2.3 J2.8 J2.13 J2.18 J3.3 J3.8 J3.13 J3.18 J4.3 J4.8 J4.13 J4.18 J5.3 J5.8 J5.13 J5.18 J6.3 J6.8 J6.13 J6.18 J7.3 J7.8 J7.13 J7.18 J8.3 J8.8 J8.13 J8.18 J9.3 J9.8 J9.13 J9.18 J10.3 J10.8 J10.13 J10.18 J11.3 J11.8 J11.13 J11.18 J12.3 J12.8 J12.13 J12.18 J13.2 LD11.2 LD12.2 P1.2 R29.1 R30.1 R31.1 R32.1 R33.1 R34.1 R35.1 R36.1 R37.1 R38.1 R39.1 R40.1 R41.1 R42.1 R43.1 R44.1 R73.1 R74.1 R75.1 R76.1 R77.1 R78.1 R79.1 R80.1 R81.1 R82.1 R83.1 R84.1 R85.1 R86.1 R87.1 R88.1 R106.1 R107.1 R108.1 R109.1 R110.1 R111.1 R112.1 R113.1 R126.2 R128.2 SW1.2 SW2.2 U1.1 U2.1 U2.7 U2.10 U2.16 U2.23 U2.25 U2.26 U2.27 U2.28 U2.46 U3.3 U3.8 U3.13 U3.18 U3.23 U3.28 U3.33 U3.38 U3.D2 U3.TP1 U4.7 Y1.2 Y1.4 | length 115.9
  Top Layer w0.2: 38.7,9.3 38.8,9.4 38.8,13.4 40,14.6 41.1,14.6 41.7,15.2 ; v1(71.6,17) v1@71.611,16.989
  Top Layer w0.3: U2.10@40.325,16.25 41.55,16.25 v2(41.8,16.5) ; U2.7@40.325,17.75 41.55,17.75 v2(41.8,18) ; U2.1@40.325,20.75 41.55,20.75 v2(41.8,20.5) ; U2.46@42.75,22.175 42.75,20.95 v2(43,20.7) ; v2(43,15.3) 43.25,15.05 U2.16@43.25,13.825 ; v2(46.5,15.3) 46.75,15.05 U2.23@46.75,13.825 ; v2(47.2,15.5) 47.45,15.75 U2.26@48.675,15.75 ; v2(47.2,16.5) 47.45,16.75 U2.28@48.675,16.75 ; U2.25@48.675,15.25 49.9,15.25 v2(50.15,15) ; U2.27@48.675,16.25 49.9,16.25 v2(50.15,16)
  Top Layer w0.5: v2(5.7,99.5) R107.1@5.7,100.5 ; R106.1@5.7,102.5 v2(5.7,103.5) ; v2(5.7,107.5) R82.1@5.7,108.5 ; R81.1@5.7,110.5 v2(5.7,111.5) ; v2(5.7,115.5) R74.1@5.7,116.5 ; R73.1@5.7,118.5 v2(5.7,119.5) ; v2(5.7,124) R38.1@5.7,125 ; R37.1@5.7,127 v2(5.7,128) ; v2(10.2,132) R30.1@10.2,133 ; R29.1@10.2,135 v2(10.2,136) ; v2(13.2,99.5) R109.1@13.2,100.5 ; R108.1@13.2,102.5 v2(13.2,103.5) ; v2(13.2,107.5) R84.1@13.2,108.5 ; R83.1@13.2,110.5 v2(13.2,111.5) ; v2(13.2,115.5) R76.1@13.2,116.5 ; R75.1@13.2,118.5 v2(13.2,119.5) ; v2(13.2,124) R40.1@13.2,125 ; R39.1@13.2,127 v2(13.2,128) ; v2(17.7,132) R32.1@17.7,133 ; R31.1@17.7,135 v2(17.7,136) ; v2(28.6,9.5) C15.1@29.7,9.5 ; R126.2@31.3,13.5 v2(32.5,13.5) C25.1@33.7,13.5 ; C5.1@31.3,19.5 v2(32.5,19.5) C21.1@33.7,19.5 ; C6.1@31.3,25.5 v2(32.5,25.5) ; v2(32.5,7.4) Y1.2@33.7,7.4 ; v2(32.7,5.5) C16.1@33.7,5.5 ; Y1.4@35.3,9.6 36,8.9 v2(36.5,8.9) ; v2(41,7.6) C18.1@41,8.7 C22.1@42.5,8.7 C24.1@44,8.7 v2(44,7.6) ; C20.1@43.5,27.8 v2(44.6,27.8) ; v2(46.5,7.6) C17.1@46.5,8.7 ; v2(48,7.6) C26.1@48,8.7 ; C19.1@53.3,18.5 v2(54.4,18.5) ; C23.1@53.3,21 v2(54.4,21) ; v2(60.7,72) LD11.2@61.7,72 ; v2(60.7,80.5) LD12.2@61.7,80.5 ; v2(64.7,99.5) R111.1@64.7,100.5 ; R110.1@64.7,102.5 v2(64.7,103.5) ; v2(64.7,107.5) R86.1@64.7,108.5 ; R85.1@64.7,110.5 v2(64.7,111.5) ; v2(64.7,115.5) R78.1@64.7,116.5 ; R77.1@64.7,118.5 v2(64.7,119.5) ; v2(64.7,124) R42.1@64.7,125 ; R41.1@64.7,127 v2(64.7,128) ; v2(64.7,132) R34.1@64.7,133 ; R33.1@64.7,135 v2(64.7,136) ; v2(72.2,99.5) R113.1@72.2,100.5 ; R112.1@72.2,102.5 v2(72.2,103.5) ; v2(72.2,107.5) R88.1@72.2,108.5 ; R87.1@72.2,110.5 v2(72.2,111.5) ; v2(72.2,115.5) R80.1@72.2,116.5 ; R79.1@72.2,118.5 v2(72.2,119.5) ; v2(72.2,124) R44.1@72.2,125 ; R43.1@72.2,127 v2(72.2,128) ; v2(72.2,132) R36.1@72.2,133 ; R35.1@72.2,135 v2(72.2,136) ; C3.1@87.3,18 v2(87.3,19)
  Top Layer w0.8: U3.3@6.45,66.31 6.58,66.18 J11.3@6.58,62.5 ; C4.1@22.3,14.5 v1(23.7,14.5) ; U3.D2@50.24,76.04 J13.2@56,76.04 ; R128.2@58,55.2 58,44.68 U4.7@58.18,44.5 ; v1(61.9,9.5) SW1.2@63.625,9.5 ; C1.1@71.611,15.5 v1@71.611,16.989 ; v1(81.9,9.5) SW2.2@83.625,9.5 ; C2.1@87.3,20 v1(87.3,21.1)
  other v1: 10,2.5 20,2.5 30,2.5 50,2.5 60,2.5 70,2.5 80,2.5 90,2.5 100,2.5 110,2.5 26,8 1.5,8.5 50,12.5 60,12.5 80,12.5 90,12.5 100,12.5 110,12.5 119,12.5 44.5,18 46.5,18 44.5,20.25 46.5,20.25 74.5,20.3 28.25,20.5 74.5,21.2 74.5,22.1 39.25,22.5 50,22.5 110,22.5 119,22.5 60.8,23 61.8,23 60.8,24 61.8,24 60.8,25 61.8,25 49,26.5 12.5,28.25 56.9,30.5 57.9,30.5 58.9,30.5 1,32.5 40,32.5 50,32.5 80,32.5 90,32.5 100,32.5 110,32.5 119,32.5 30,33 56.9,34.5 57.9,34.5 58.9,34.5 8,35.3 9,35.3 10,35.3 8,36.3 9,36.3 10,36.3 56.7,37 57.7,37 56.7,38 57.7,38 56.7,39 57.7,39 67,41.5 55.6,41.7 56.6,41.7 57.6,41.7 58.6,41.7 1,42.5 10,42.5 30,42.5 40,42.5 80,42.5 90,42.5 100,42.5 110,42.5 119,42.5 55.6,42.7 56.6,42.7 57.6,42.7 58.6,42.7 67,47.5 1,52.5 10,52.5 80,52.5 90,52.5 100,52.5 110,52.5 119,52.5 67,56 60,62 80,62.5 90,62.5 100,62.5 110,62.5 119,62.5 1,72.5 20,72.5 30,72.5 40,72.5 60,72.5 80,72.5 90,72.5 100,72.5 110,72.5 119,72.5 1,82.5 10,82.5 20,82.5 30,82.5 40,82.5 50,82.5 60,82.5 80,82.5 90,82.5 100,82.5 110,82.5 119,82.5 56.75,90 69.25,90.25 90,92.5 100,92.5 119,92.5 27.75,93.25 40,93.25 53.25,93.25 61.75,94 69.25,94 57,99.5 119,100.5 119,108 57,108.5 40,109.5 98,109.5 1,112.5 57,117 119,117 40,117.5 98,117.5 1,122.5 119,124.5 57,125 97.5,125.5 40,126 1,132.5 40,132.5 60,132.5 80,132.5 10,138 20,138 30,138 40,138 50,138 60,138 70,138 80,138 90,138 100,138 110,138
GPIO0: J11.1 U3.1 | length 4.7
  Top Layer w0.2: U3.1@1.37,67.11 1.5,66.98 J11.1@1.5,62.5
GPIO1: J11.2 U3.2 | length 4.7
  Top Layer w0.2: U3.2@3.91,67.11 4.04,66.98 J11.2@4.04,62.5
GPIO2: J11.4 U3.4 | length 4.7
  Top Layer w0.2: U3.4@8.99,67.11 U3.4@8.99,66.31 8.99,62.63 J11.4@9.12,62.5
GPIO3: J11.5 U3.5 | length 4.7
  Top Layer w0.2: U3.5@11.53,67.11 11.66,66.98 J11.5@11.66,62.5
GPIO4: J11.6 U3.6 | length 4.7
  Top Layer w0.2: U3.6@14.07,67.11 14.2,66.98 J11.6@14.2,62.5
GPIO5: J11.7 P1.8 U3.7 | length 136.9
  Top Layer w0.2: U3.7@16.61,66.31 16.74,66.18 J11.7@16.74,62.5 ; v2(74.8,66.8) 74.8,62.9 74.2,62.3 74.2,25.703 76.503,23.4 100.02,23.4 P1.8@103.62,27
  Bottom Layer w0.2: J11.7@16.74,62.5 20.04,65.8 71.969,65.8 72.969,66.8 v2(74.8,66.8)
GPIO6: J11.9 U3.9 | length 3.9
  Top Layer w0.2: U3.9@21.69,66.31 21.82,66.18 J11.9@21.82,62.5
GPIO7: J11.10 U3.10 | length 3.9
  Top Layer w0.2: U3.10@24.23,66.31 24.23,62.63 J11.10@24.36,62.5
GPIO8: J11.11 U3.11 | length 3.9
  Top Layer w0.2: U3.11@26.77,66.31 26.9,66.18 J11.11@26.9,62.5
GPIO9: J11.12 U3.12 | length 3.9
  Top Layer w0.2: U3.12@29.31,66.31 29.31,62.63 J11.12@29.44,62.5
GPIO10: J11.14 P1.7 U3.14 | length 115.6
  Top Layer w0.2: U3.14@34.39,66.31 34.52,66.18 J11.14@34.52,62.5 ; v2(75.4,66.2) 75.2,66 75.2,62.734 74.6,62.134 74.6,61.5 74.6,25.869 76.669,23.8 97.88,23.8 P1.7@101.08,27
  Bottom Layer w0.2: J11.14@34.52,62.5 37.42,65.4 72.134,65.4 72.934,66.2 v2(75.4,66.2)
GPIO11: J11.15 P1.6 U3.15 | length 109.5
  Top Layer w0.2: U3.15@36.93,66.31 37.06,66.18 J11.15@37.06,62.5 ; v2(76,65.6) 75.6,65.2 75.6,62.503 75,61.903 75,61.4 75,26.034 76.834,24.2 95.74,24.2 P1.6@98.54,27
  Bottom Layer w0.2: J11.15@37.06,62.5 39.56,65 72.3,65 72.9,65.6 v2(76,65.6)
GPIO12: J11.16 P1.9 U3.16 | length 114.2
  Top Layer w0.2: U3.16@39.47,66.31 39.6,66.18 J11.16@39.6,62.5 ; v2(74.2,65) 74.2,62.9 73.8,62.5 73.8,25.537 76.337,23 102.16,23 P1.9@106.16,27
  Bottom Layer w0.2: J11.16@39.6,62.5 41.7,64.6 72.5,64.6 72.9,65 v2(74.2,65)
GPIO13: J11.17 P1.3 R91.1 U3.17 | length 101.3
  Top Layer w0.2: U3.17@42.01,66.31 42.14,66.18 J11.17@42.14,62.5 ; v2(73.2,64.4) 73,64.2 73,25.206 76.006,22.2 90.3,22.2 v2(91,21.5) R91.1@91,20.3
  Bottom Layer w0.2: J11.17@42.14,62.5 43.84,64.2 73,64.2 v2(73.2,64.4) ; P1.3@90.92,27 91,26.92 v2(91,21.5)
GPIO14: J11.19 P1.5 U3.19 | length 94
  Top Layer w0.2: U3.19@47.09,66.31 47.22,66.18 J11.19@47.22,62.5 ; v2(76.5,63.8) 76,63.3 76,62.3 75.4,61.7 75.4,26.2 77,24.6 93.6,24.6 P1.5@96,27
  Bottom Layer w0.2: J11.19@47.22,62.5 48.52,63.8 v2(76.5,63.8)
GPIO15: J11.20 P1.4 R92.1 U3.20 | length 94.5
  Top Layer w0.2: U3.20@49.63,66.31 49.76,66.18 J11.20@49.76,62.5 ; v2(73.6,63.2) 73.4,63 73.4,25.372 76.172,22.6 92.4,22.6 v2(93.5,21.5) R92.1@93.5,20.3
  Bottom Layer w0.2: J11.20@49.76,62.5 50.66,63.4 73.4,63.4 v2(73.6,63.2) ; P1.4@93.46,27 93.5,26.96 v2(93.5,21.5)
GPIO16: J12.20 U2.33 U3.21 | length 114.2
  Top Layer w0.2: U2.33@48.675,19.25 49.85,19.25 50.5,19.9 57.8,19.9 58.7,19 67.731,19 69.4,20.669 69.4,84.003 69,84.403 69,86.3 67.8,87.5 67.8,88.4 v2(68.4,89) ; U3.21@49.63,85.69 49.76,85.82 J12.20@49.76,89.5
  Bottom Layer w0.2: J12.20@49.76,89.5 50.46,88.8 68.2,88.8 v2(68.4,89)
GPIO17: J12.19 U2.29 U3.22 | length 118.4
  Top Layer w0.2: U3.22@47.09,85.69 47.22,85.82 J12.19@47.22,89.5 ; U2.29@48.675,17.25 58.016,17.25 58.566,17.8 68.228,17.8 70.6,20.172 70.6,84.5 70.2,84.9 70.2,87.6 69.4,88.4 v2(69,88.4)
  Bottom Layer w0.2: J12.19@47.22,89.5 48.32,88.4 v2(69,88.4)
GPIO18: J12.17 U2.30 U3.24 | length 122.2
  Top Layer w0.2: U3.24@42.01,85.69 42.14,85.82 J12.17@42.14,89.5 ; U2.30@48.675,17.75 57.95,17.75 58.4,18.2 68.063,18.2 70.2,20.337 70.2,84.334 69.8,84.734 69.8,87.3 69.3,87.8 v2(68.4,87.8)
  Bottom Layer w0.2: J12.17@42.14,89.5 43.64,88 68.2,88 v2(68.4,87.8)
GPIO19: J12.16 U2.32 U3.25 | length 123.8
  Top Layer w0.2: U3.25@39.47,85.69 39.6,85.82 J12.16@39.6,89.5 ; U2.32@48.675,18.75 49.95,18.75 50.7,19.5 57.634,19.5 58.534,18.6 67.897,18.6 69.8,20.503 69.8,84.169 69.4,84.569 69.4,86.8 v2(69,87.2)
  Bottom Layer w0.2: J12.16@39.6,89.5 41.5,87.6 67.679,87.6 68.079,87.2 v2(69,87.2)
GPIO20: J12.15 R114.2 U2.48 U3.26 | length 139.9
  Top Layer w0.2: U3.26@36.93,85.69 36.93,89.37 J12.15@37.06,89.5 ; U2.48@41.75,22.175 41.75,25.95 R114.2@41.5,26.2 42.1,26.2 42.3,26.4 42.3,28.666 42.734,29.1 49.8,29.1 59.1,19.8 67.4,19.8 68.6,21 68.6,83.672 67.8,84.472 67.8,86.676 v2(67.776,86.676)
  Bottom Layer w0.2: J12.15@37.06,89.5 39.36,87.2 67.251,87.2 v2(67.776,86.676)
GPIO21: J12.14 U2.47 U3.27 | length 142
  Top Layer w0.2: U3.27@34.39,85.69 34.52,85.82 J12.14@34.52,89.5 ; U2.47@42.25,22.175 42.25,24.85 42.7,25.3 42.7,28.5 42.9,28.7 49.634,28.7 58.934,19.4 67.566,19.4 69,20.834 69,83.837 68.4,84.437 68.4,85.9 68.35,85.95 v2(68.4,86)
  Bottom Layer w0.2: J12.14@34.52,89.5 37.22,86.8 66.8,86.8 67.6,86 v2(68.4,86)
GPIO22: J12.12 U3.29 | length 3.9
  Top Layer w0.2: U3.29@29.31,85.69 29.44,85.82 J12.12@29.44,89.5